# KiCad board Inverter_KiCAD.kicad_pcb
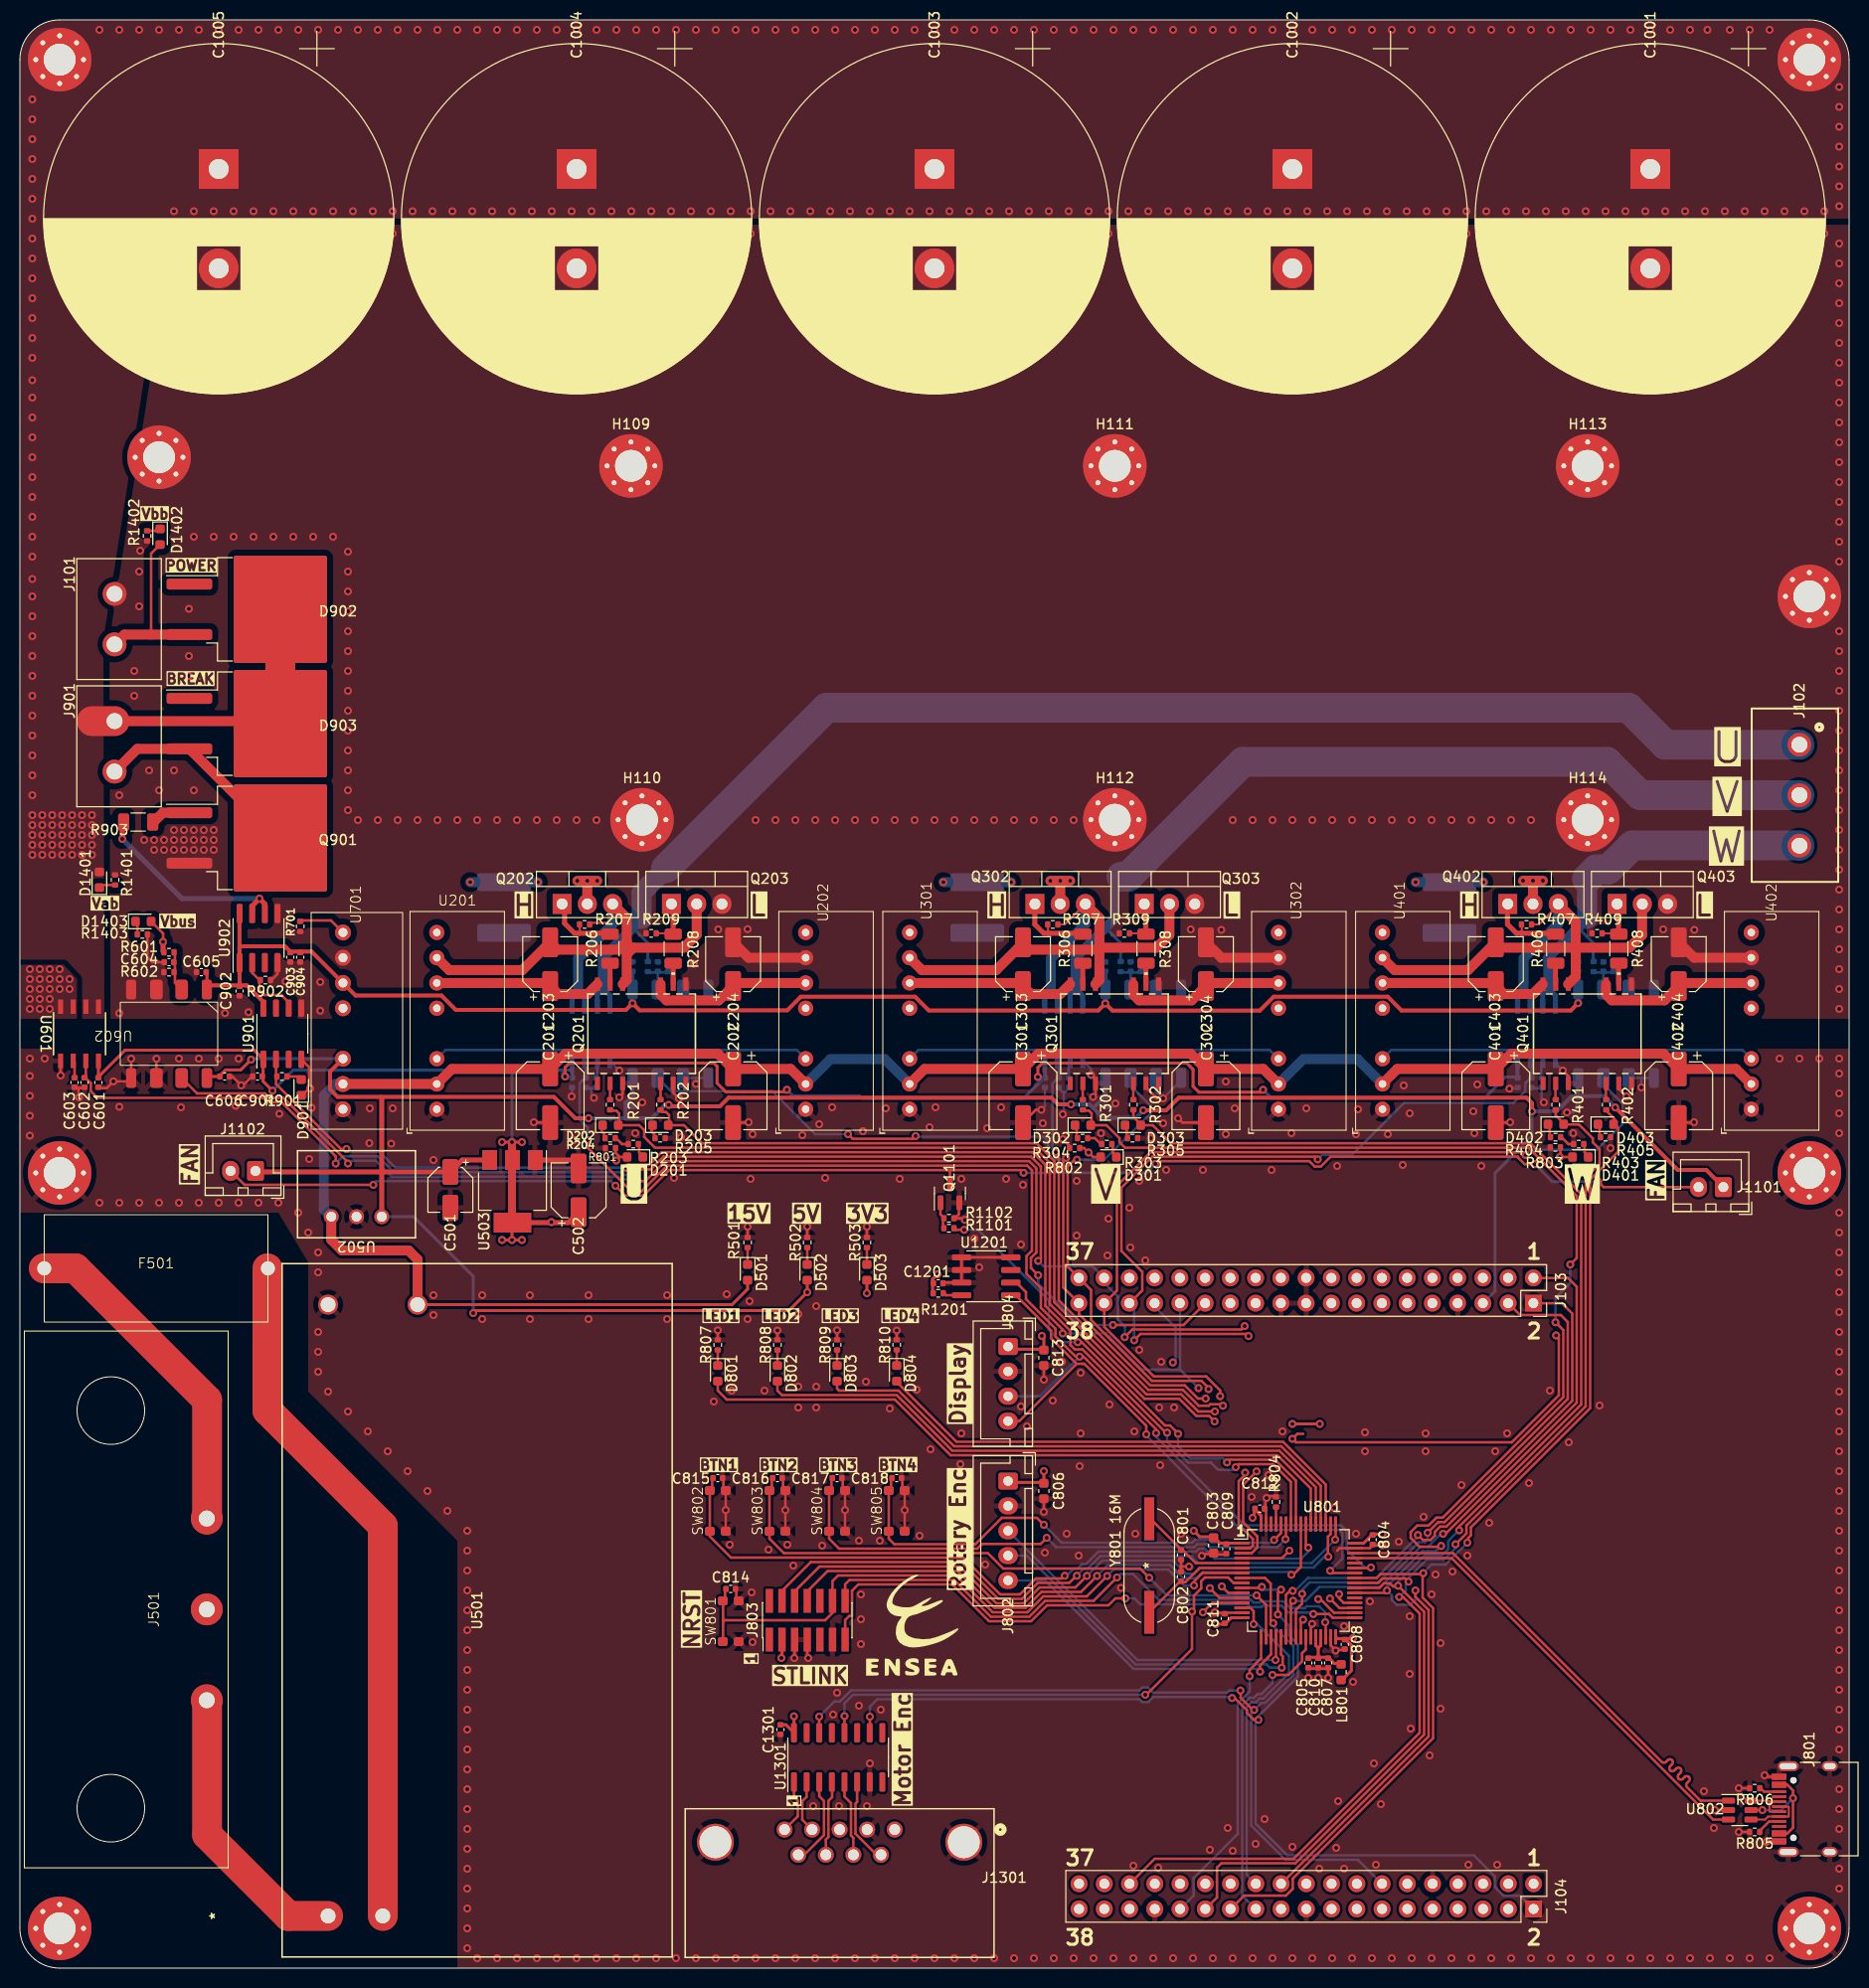
[diagram p0: board, top side]
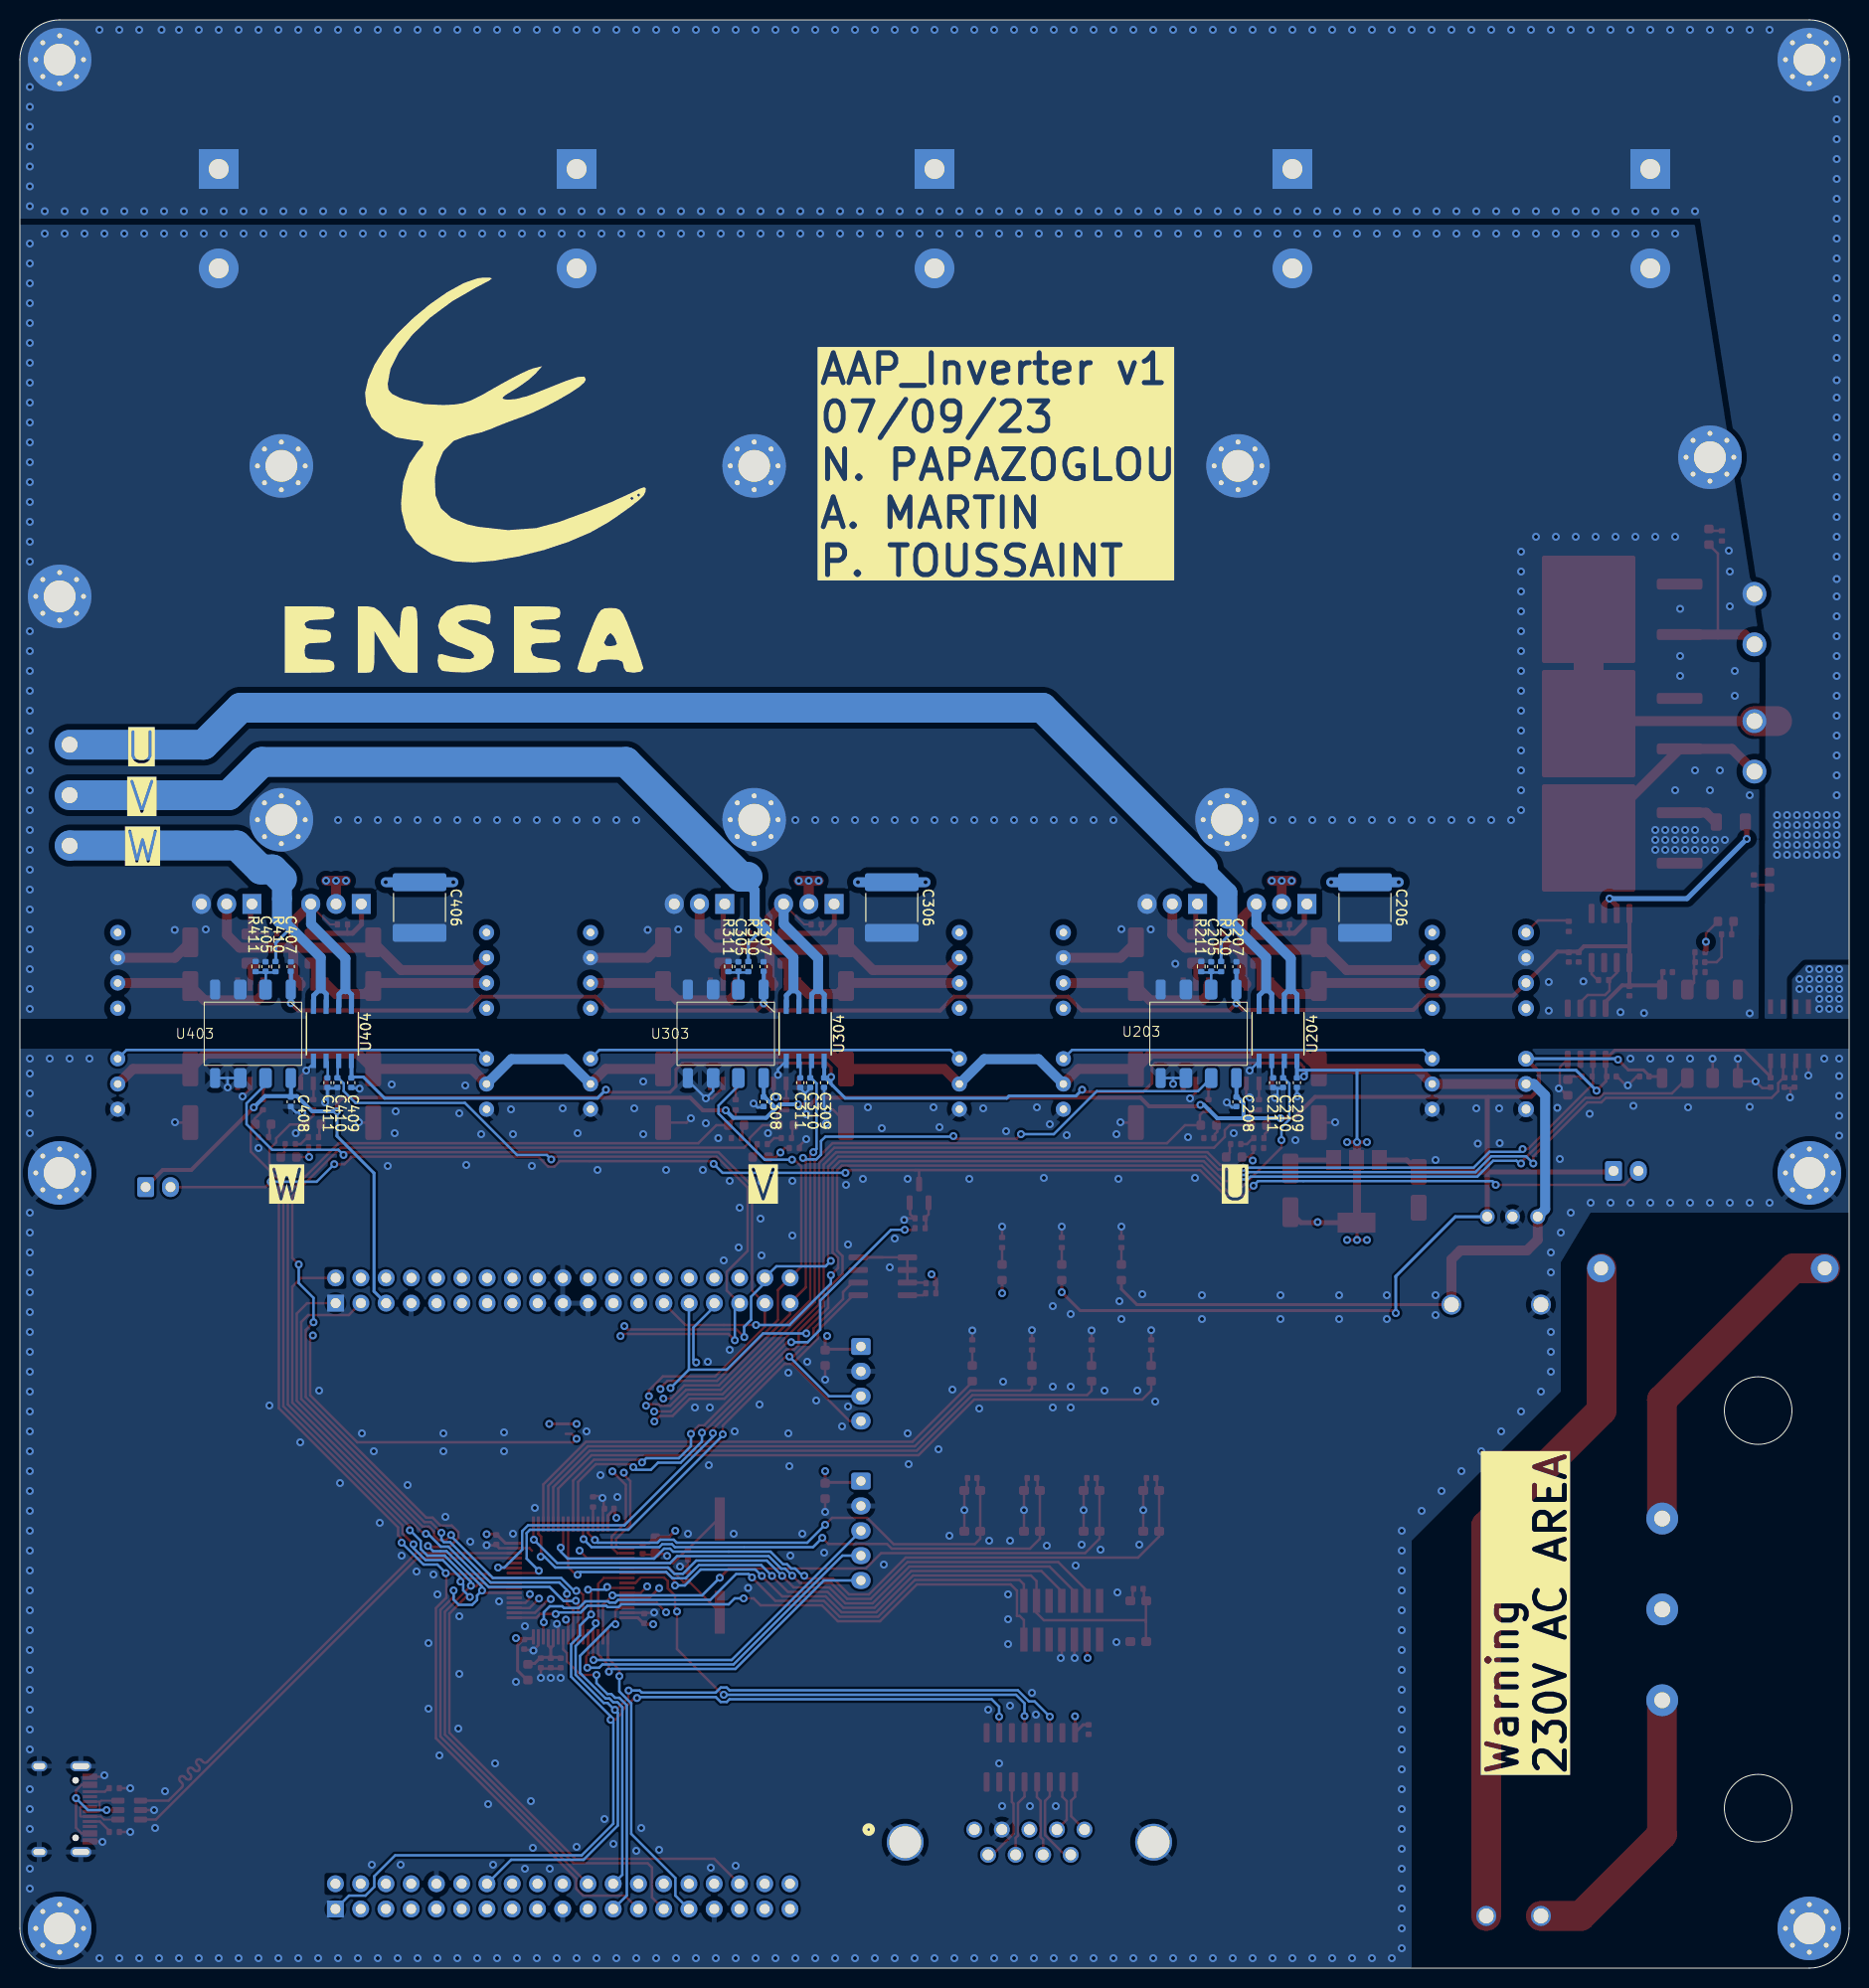
[diagram p1: board, bottom side, seen from below]

Outline 184 x 196 mm; copper layers: Top, In1.Cu, In2.Cu, Bottom. Coordinates in mm from the lower left corner of the outline.
Outline path: 0,192 0,4 arc(1.17,1.17) 4,0 180,0 arc(182.83,1.17) 184,4 184,192 arc(182.83,194.83) 180,196 4,196 arc(1.17,194.83) 0,192
Stack: Top 0.035mm / dielectric 0.1mm FR4 er 4.5 / In1.Cu 0.035mm / dielectric 1.24mm FR4 er 4.5 / In2.Cu 0.035mm / dielectric 0.1mm FR4 er 4.5 / Bottom 0.035mm

## Placement (name value [footprint] x y rotation side)
C201  100u  [CP_Elec_6.3x7.7]  53.34 87.76 270 top
C202  100u  [CP_Elec_6.3x7.7]  71.74 87.76 270 top
C203  22u  [CP_Elec_5x5.4]  53.34 101 90 top
C204  22u  [CP_Elec_5x5.4]  71.74 101 90 top
C205  10n  [C_0402_1005Metric]  64.17 100.76 90 bottom
C206  10u  [C_2220_5650Metric]  48.7 106.7 270 bottom
C207  100n  [C_0402_1005Metric]  61.63 100.76 90 bottom
C208  100n  [C_0402_1005Metric]  61.63 87.16 270 bottom
C209  4.7n  [C_0402_1005Metric]  55.55 89.08 270 bottom
C210  4.7n  [C_0402_1005Metric]  56.94 89.08 270 bottom
C211  4.7n  [C_0402_1005Metric]  57.94 89.08 270 bottom
C301  100u  [CP_Elec_6.3x7.7]  100.9 87.76 270 top
C302  100u  [CP_Elec_6.3x7.7]  119.3 87.76 270 top
C303  22u  [CP_Elec_5x5.4]  100.9 101 90 top
C304  22u  [CP_Elec_5x5.4]  119.3 101 90 top
C305  10n  [C_0402_1005Metric]  111.73 100.76 90 bottom
C306  10u  [C_2220_5650Metric]  96.3 106.7 270 bottom
C307  100n  [C_0402_1005Metric]  109.19 100.76 90 bottom
C308  100n  [C_0402_1005Metric]  109.19 87.16 270 bottom
C309  4.7n  [C_0402_1005Metric]  103.1 89.08 270 bottom
C310  4.7n  [C_0402_1005Metric]  104.5 89.08 270 bottom
C311  4.7n  [C_0402_1005Metric]  105.5 89.08 270 bottom
C401  100u  [CP_Elec_6.3x7.7]  148.46 87.76 270 top
C402  100u  [CP_Elec_6.3x7.7]  166.86 87.76 270 top
C403  22u  [CP_Elec_5x5.4]  148.46 101 90 top
C404  22u  [CP_Elec_5x5.4]  166.86 101 90 top
C405  10n  [C_0402_1005Metric]  159.29 100.76 90 bottom
C406  10u  [C_2220_5650Metric]  143.8 106.7 270 bottom
C407  100n  [C_0402_1005Metric]  156.75 100.76 90 bottom
C408  100n  [C_0402_1005Metric]  156.75 87.16 270 bottom
C409  4.7n  [C_0402_1005Metric]  150.66 89.08 270 bottom
C410  4.7n  [C_0402_1005Metric]  152.06 89.08 270 bottom
C411  4.7n  [C_0402_1005Metric]  153.06 89.08 270 bottom
C501  10u  [CP_Elec_4x5.4]  43.3 78.3 270 top
C502  22u  [CP_Elec_5x5.4]  56.2 78.25 90 top
C601  4.7n  [C_0402_1005Metric]  7.9 89.1 270 top
C602  4.7n  [C_0402_1005Metric]  6.5 89.1 270 top
C603  4.7n  [C_0402_1005Metric]  5.5 89.1 270 top
C604  10n  [C_0402_1005Metric]  15 101.2 180 top
C605  100n  [C_0402_1005Metric]  18.25 100.2 180 top
C606  100n  [C_0402_1005Metric]  20.6 89.7 0 top
C801  22p  [C_0402_1005Metric]  116.8 41.57 90 top
C802  22p  [C_0402_1005Metric]  116.8 39.4 270 top
C803  10u  [C_0603_1608Metric]  120.07 42.53 270 top
C804  100n  [C_0402_1005Metric]  136.07 43.1 270 top
C805  1u  [C_0402_1005Metric]  129.6 30.7 270 top
C806  10u  [C_0603_1608Metric]  103 48 90 top
C807  100n  [C_0402_1005Metric]  131.6 30.7 270 top
C808  100n  [C_0402_1005Metric]  133.28 32.57 270 top
C809  100n  [C_0402_1005Metric]  121.35 42.18 270 top
C810  100n  [C_0402_1005Metric]  130.6 30.7 270 top
C811  100n  [C_0402_1005Metric]  121.2 35.18 90 top
C812  100n  [C_0402_1005Metric]  124.72 46.22 0 top
C813  10u  [C_0603_1608Metric]  103 61.4 270 top
C814  100n  [C_0402_1005Metric]  71.5 38.15 0 top
C815  100n  [C_0402_1005Metric]  70.2 49.3 0 top
C816  100n  [C_0402_1005Metric]  76.2 49.3 0 top
C817  100n  [C_0402_1005Metric]  82.2 49.3 0 top
C818  100n  [C_0402_1005Metric]  88.2 49.3 0 top
C901  100n  [C_0402_1005Metric]  23.9 89.7 180 top
C902  100n  [C_0402_1005Metric]  22.1 98.3 270 top
C903  1u  [C_0402_1005Metric]  27.2 101.7 270 top
C904  1n  [C_0402_1005Metric]  28.2 101.7 270 top
C1001  1.5m  [CP_Radial_D35.0mm_P10.00mm_SnapIn]  164 181 270 top
C1002  1.5m  [CP_Radial_D35.0mm_P10.00mm_SnapIn]  128 181 270 top
C1003  1.5m  [CP_Radial_D35.0mm_P10.00mm_SnapIn]  92 181 270 top
C1004  1.5m  [CP_Radial_D35.0mm_P10.00mm_SnapIn]  56 181 270 top
C1005  1.5m  [CP_Radial_D35.0mm_P10.00mm_SnapIn]  20 181 270 top
C1201  100n  [C_0402_1005Metric]  92.38 68.9 0 top
C1301  100n  [C_0402_1005Metric]  76.5 24 270 top
D201  Green LED  [LED_0603_1608Metric]  61.87 81.6 180 top
D202  Red LED  [LED_0603_1608Metric]  59.4 84.8 0 top
D203  Red LED  [LED_0603_1608Metric]  64.43 84.8 0 top
D301  Green LED  [LED_0603_1608Metric]  109.5 81.6 180 top
D302  Red LED  [LED_0603_1608Metric]  106.93 84.8 0 top
D303  Red LED  [LED_0603_1608Metric]  111.95 84.8 0 top
D401  Green LED  [LED_0603_1608Metric]  156.97 81.6 180 top
D402  Red LED  [LED_0603_1608Metric]  154.5 84.9 0 top
D403  Red LED  [LED_0603_1608Metric]  159.53 84.9 0 top
D501  Red LED  [LED_0603_1608Metric]  73.2 70 270 top
D502  Red LED  [LED_0603_1608Metric]  79.2 70 270 top
D503  Red LED  [LED_0603_1608Metric]  85.2 70 270 top
D801  Blue LED  [LED_0603_1608Metric]  70.2 59.84 270 top
D802  Blue LED  [LED_0603_1608Metric]  76.2 59.84 270 top
D803  Blue LED  [LED_0603_1608Metric]  82.2 59.84 270 top
D804  Blue LED  [LED_0603_1608Metric]  88.2 59.84 270 top
D901  Red LED  [LED_0603_1608Metric]  28.3 88.6 90 top
D902  VS-15TQ060S-M3  [TO-263-2]  24.7 136.7 0 top
D903  VS-15TQ060S-M3  [TO-263-2]  24.7 125.2 0 top
D1401  Red LED  [LED_0603_1608Metric]  8 109.49 90 top
D1402  Red LED  [LED_0603_1608Metric]  14.1 144 270 top
D1403  Red LED  [LED_0603_1608Metric]  12.41 105.3 0 top
F501  Fuse  [0031.8201]  13.7 70.4 0 top
G***  -  [LOGO]  89.29 34.54 0 top
G***#2  -  [LOGO]  140.98 150.37 180 bottom
H101  MountingHole_Pad  [MountingHole_3.2mm_M3_Pad_Via]  4 4 0 top
H102  MountingHole_Pad  [MountingHole_3.2mm_M3_Pad_Via]  4 80 0 top
H103  MountingHole_Pad  [MountingHole_3.2mm_M3_Pad_Via]  180 4 0 top
H104  MountingHole_Pad  [MountingHole_3.2mm_M3_Pad_Via]  180 80 0 top
H105  MountingHole_Pad  [MountingHole_3.2mm_M3_Pad_Via]  180 138 0 top
H106  MountingHole_Pad  [MountingHole_3.2mm_M3_Pad_Via]  14 152 0 top
H107  MountingHole_Pad  [MountingHole_3.2mm_M3_Pad_Via]  4 192 0 top
H108  MountingHole_Pad  [MountingHole_3.2mm_M3_Pad_Via]  180 192 0 top
H109  MountingHole_Pad  [MountingHole_3.2mm_M3_Pad_Via]  61.47 151.13 0 top
H110  MountingHole_Pad  [MountingHole_3.2mm_M3_Pad_Via]  62.58 115.53 0 top
H111  MountingHole_Pad  [MountingHole_3.2mm_M3_Pad_Via]  110.14 151.13 0 top
H112  MountingHole_Pad  [MountingHole_3.2mm_M3_Pad_Via]  110.14 115.53 0 top
H113  MountingHole_Pad  [MountingHole_3.2mm_M3_Pad_Via]  157.7 151.13 0 top
H114  MountingHole_Pad  [MountingHole_3.2mm_M3_Pad_Via]  157.7 115.53 0 top
J101  Conn_01x02  [691311500102]  9.52 135.72 90 top
J102  Conn_01x03  [691311500103]  179 118 270 top
J103  Conn_02x19_Odd_Even  [PinSocket_2x19_P2.54mm_Vertical]  152.24 66.9 270 top
J104  Conn_02x19_Odd_Even  [PinSocket_2x19_P2.54mm_Vertical]  152.26 5.95 270 top
J501  -  [PX0580-PC-12132]  13.98 36.09 90 top
J801  USB_C_Receptacle_USB2.0  [USB_C_Receptacle_HRO_TYPE-C-31-M-12]  181 16 90 top
J802  Conn_01x05  [JST_XH_B5B-XH-A_1x05_P2.50mm_Vertical]  99.4 49 270 top
J803  Conn_ST_STDC14  [PinHeader_2x07_P1.27mm_Vertical_SMD]  79.2 35 90 top
J804  Conn_01x04  [JST_XH_B4B-XH-A_1x04_P2.50mm_Vertical]  99.4 62.54 270 top
J901  Conn_01x02  [691311500102]  9.52 122.92 90 top
J1101  Conn_01x02  [JST_XH_B2B-XH-A_1x02_P2.50mm_Vertical]  171.35 78.57 180 top
J1102  Conn_01x02  [JST_XH_B2B-XH-A_1x02_P2.50mm_Vertical]  23.7 80.2 180 top
J1301  DE9_Receptacle_MountingHoles  [618009233821]  87.99 13.94 0 top
L801  39n  [L_0603_1608Metric]  132.9 29.78 90 top
Q201  HCPL-315J-500E  [SO-16_HCPL-315J_BRA]  62.54 94 90 top
Q202  IRF540N  [TO-220-3_Vertical]  54.54 107.06 0 top
Q203  IRF540N  [TO-220-3_Vertical]  65.54 107.06 0 top
Q301  HCPL-315J-500E  [SO-16_HCPL-315J_BRA]  110.1 94 90 top
Q302  IRF540N  [TO-220-3_Vertical]  102.1 107.06 0 top
Q303  IRF540N  [TO-220-3_Vertical]  113.1 107.06 0 top
Q401  HCPL-315J-500E  [SO-16_HCPL-315J_BRA]  157.66 94 90 top
Q402  IRF540N  [TO-220-3_Vertical]  149.66 107.06 0 top
Q403  IRF540N  [TO-220-3_Vertical]  160.66 107.06 0 top
Q901  BUK9637-100E  [TO-263-2]  24.7 113.7 0 top
Q1101  SQ2310ES  [SOT-23]  93.55 77.94 90 top
R201  170  [R_0402_1005Metric]  59.36 86.86 270 top
R202  170  [R_0402_1005Metric]  64.44 86.86 270 top
R203  390  [R_0402_1005Metric]  61.7 82.9 180 top
R204  390  [R_0402_1005Metric]  59.37 83.5 0 top
R205  390  [R_0402_1005Metric]  64.4 83.5 0 top
R206  30  [R_1206_3216Metric]  59.36 102.56 90 top
R207  10k  [R_0402_1005Metric]  56.8 105 0 top
R208  30  [R_1206_3216Metric]  65.72 102.56 90 top
R209  10k  [R_0402_1005Metric]  63.5 104.1 180 top
R210  470k  [R_0402_1005Metric]  63.17 100.76 270 bottom
R211  1k  [R_0402_1005Metric]  65.17 100.76 90 bottom
R301  170  [R_0402_1005Metric]  106.93 86.86 270 top
R302  170  [R_0402_1005Metric]  112 86.86 270 top
R303  390  [R_0402_1005Metric]  109.33 82.9 180 top
R304  390  [R_0402_1005Metric]  106.9 83.5 0 top
R305  390  [R_0402_1005Metric]  111.93 83.5 0 top
R306  30  [R_1206_3216Metric]  106.93 102.56 90 top
R307  10k  [R_0402_1005Metric]  103.9 105 0 top
R308  30  [R_1206_3216Metric]  113.28 102.56 90 top
R309  10k  [R_0402_1005Metric]  111.1 104.1 180 top
R310  470k  [R_0402_1005Metric]  110.73 100.76 270 bottom
R311  1k  [R_0402_1005Metric]  112.73 100.76 90 bottom
R401  170  [R_0402_1005Metric]  154.49 86.86 270 top
R402  170  [R_0402_1005Metric]  159.56 86.86 270 top
R403  390  [R_0402_1005Metric]  156.8 82.9 180 top
R404  390  [R_0402_1005Metric]  154.47 83.6 0 top
R405  390  [R_0402_1005Metric]  159.5 83.6 0 top
R406  30  [R_1206_3216Metric]  154.49 102.56 90 top
R407  10k  [R_0402_1005Metric]  151.55 105 0 top
R408  30  [R_1206_3216Metric]  160.84 102.56 90 top
R409  10k  [R_0402_1005Metric]  158.65 104.1 180 top
R410  470k  [R_0402_1005Metric]  158.29 100.76 270 bottom
R411  1k  [R_0402_1005Metric]  160.29 100.76 90 bottom
R501  2k7  [R_0402_1005Metric]  73.2 73 90 top
R502  680  [R_0402_1005Metric]  79.2 73 90 top
R503  390  [R_0402_1005Metric]  85.2 73 90 top
R601  470k  [R_0402_1005Metric]  15 102.2 0 top
R602  1k  [R_0402_1005Metric]  15 100.2 180 top
R701  27k  [R_0402_1005Metric]  28.2 104.8 270 top
R801  10k  [R_0402_1005Metric]  59.4 82.5 180 top
R802  10k  [R_0402_1005Metric]  106.1 82.5 180 top
R803  10k  [R_0402_1005Metric]  154.45 82.58 180 top
R804  10k  [R_0402_1005Metric]  126.35 46.9 90 top
R805  5.1k  [R_0402_1005Metric]  174.5 13.7 180 top
R806  5.1k  [R_0402_1005Metric]  174.5 18.1 180 top
R807  390  [R_0402_1005Metric]  70.2 62.7 90 top
R808  390  [R_0402_1005Metric]  76.2 62.7 90 top
R809  390  [R_0402_1005Metric]  82.2 62.7 90 top
R810  390  [R_0402_1005Metric]  88.2 62.7 90 top
R901  390  [R_0402_1005Metric]  26.36 89.7 0 top
R902  10k  [R_0402_1005Metric]  24.7 99.4 0 top
R903  4.7  [R_1206_3216Metric]  11.9 115.3 0 top
R1101  22  [R_0402_1005Metric]  93.45 74.44 0 top
R1102  10k  [R_0402_1005Metric]  93.45 75.44 0 top
R1201  200  [R_0402_1005Metric]  92.38 67.9 180 top
R1401  10k  [R_0402_1005Metric]  9.58 109.47 90 top
R1402  10k  [R_0402_1005Metric]  12.8 144.09 270 top
R1403  10k  [R_0402_1005Metric]  12.32 104 0 top
SW801  SW_Push  [435451019820]  71.5 34.9 90 top
SW802  SW_Push  [435451019820]  70.2 46 90 top
SW803  SW_Push  [435451019820]  76.2 46 90 top
SW804  SW_Push  [435451019820]  82.2 46 90 top
SW805  SW_Push  [435451019820]  88.2 46 90 top
U201  MPRB2415S-6W  [MPRB2415S]  41.94 95.3 90 top
U202  MPRB2415S-6W  [MPRB2415S]  79.04 95.3 90 top
U203  HCPL-7800-500E  [DIP-8 Gull Wing]  65.44 94 0 bottom
U204  GO 10-SME/SP3  [SOIC8-GO-SME&slash_SP3_LEM]  57.44 94 270 bottom
U301  MPRB2415S-6W  [MPRB2415S]  89.5 95.3 90 top
U302  MPRB2415S-6W  [MPRB2415S]  126.6 95.3 90 top
U303  HCPL-7800-500E  [DIP-8 Gull Wing]  113 94 0 bottom
U304  GO 10-SME/SP3  [SOIC8-GO-SME&slash_SP3_LEM]  105 94 270 bottom
U401  MPRB2415S-6W  [MPRB2415S]  137.06 95.3 90 top
U402  MPRB2415S-6W  [MPRB2415S]  174.16 95.3 90 top
U403  HCPL-7800-500E  [DIP-8 Gull Wing]  160.56 94 0 bottom
U404  GO 10-SME/SP3  [SOIC8-GO-SME&slash_SP3_LEM]  152.56 94 270 bottom
U501  MP-LD30-23B12R2  [MP-LD30-23B15R2]  31 5.25 90 top
U502  173010542  [173010578]  36.4 75.6 180 top
U503  AZ1117-3.3  [SOT-223-3_TabPin2]  49.55 78.15 270 top
U601  GO 10-SME/SP3  [SOIC8-GO-SME&slash_SP3_LEM]  6 94 270 top
U602  HCPL-7800-500E  [DIP-8 Gull Wing]  15 94 180 top
U701  -  [17791063215]  33.9 95.3 90 top
U801  STM32G474RETx  [LQFP-64_10x10mm_P0.5mm]  128.6 39 0 top
U802  USBLC6-2SC6  [SOT-23-6]  173 15.9 0 top
U901  ACPL-077L  [SO-8_3.9x4.9mm_P1.27mm]  26.4 94 90 top
U902  TC1412  [SOIC-8_3.9x4.9mm_P1.27mm]  24.01 103.62 90 top
U1201  TCN75A  [SOIC-8_3.9x4.9mm_P1.27mm]  97.2 69.6 180 top
U1301  MAX3097ECSE+  [SOIC-16_3.9x9.9mm_P1.27mm]  82.31 21.2 90 top
Y801  16M  [ABLS-7.3728MHZ-CL-RESR-A-1-G-F]  113.6 40.5 90 top

## Library data of the parts
C201 C202 C301 C302 C401 C402 = -: Description: Polarized capacitor; Fournisseur: Wurth; MFR: 865 060 445 005; Vmax: 25V
C203 C204 C303 C304 C403 C404 = -: Description: Polarized capacitor; Fournisseur: Wurth; MFR: 865 060 442 002; Vmax: 25V
C205 C305 C405 C604 = -: Description: Unpolarized capacitor, small symbol; Fournisseur: Wurth; MFR: 885 012 205 050
C206 C306 C406 = -: Description: Unpolarized capacitor, small symbol; Fournisseur: Wurth; MFR: 885 012 214 001; URL: https://www.we-online.com/components/products/datasheet/885012214001.pdf
C207 C208 C307 C308 C407 C408 C605 C606 C804 C807-C812 C814-C818 C901 C902 C1201 C1301 = -: Description: Unpolarized capacitor, small symbol; Fournisseur: Wurth; MFR: 885 012 105 018
C209-C211 C309-C311 C409-C411 C601-C603 = -: Description: Unpolarized capacitor, small symbol; Fournisseur: Wurth; MFR: 885 012 205 048
C501 = -: Description: Polarized capacitor; Fournisseur: Wurth; MFR: 865 060 440 001
C502 = -: Description: Polarized capacitor; Fournisseur: Wurth; MFR: 865 060 442 002
C801 C802 = -: Description: Unpolarized capacitor, small symbol; Fournisseur: Wurth; MFR: 885 012 005 009
C803 C806 C813 = -: Description: Unpolarized capacitor, small symbol; Fournisseur: Wurth; MFR: 885 012 106 006
C805 C903 = -: Description: Unpolarized capacitor, small symbol; Fournisseur: Wurth; MFR: 885 012 105 012
C904 = -: Description: Unpolarized capacitor, small symbol; Fournisseur: Wurth; MFR: 885 012 205 044
C1001-C1005 = -: Description: Polarized capacitor; Fournisseur: Wurth; MFR: 861 011 086 027
D201 D301 D401 = -: Description: Light emitting diode; Fournisseur: Wurth; MFR: 150 060 GS5 504 0
D202 D203 D302 D303 D402 D403 D501-D503 D1401-D1403 = -: Description: Light emitting diode; Fournisseur: Wurth; MFR: 150 060 RS5 504 0
D801-D804 = -: Description: Light emitting diode; Fournisseur: Wurth; MFR: 150 060 BS5 504 0
D901 = -: Description: Light emitting diode, small symbol; Fournisseur: Wurth; MFR: 150 060 RS5 504 0
D902 D903 = -: Description: Schottky diode; Fournisseur: Farnell; Ref: 2909608
F501 = -: Fournisseur: Wurth; MFR: 696 108 003 002
H101-H114 = -: Description: Mounting Hole with connection; MFR: -
J101 J901 = -: Description: Generic connector, single row, 01x02, script generated (kicad-library-utils/schlib/autogen/connector/); Fournisseur: Wurth; MFR: 691 311 700 102
J102 = -: Description: Generic connector, single row, 01x03, script generated (kicad-library-utils/schlib/autogen/connector/); Fournisseur: Wurth; MFR: 691 311 700 103
J103 J104 = -: Description: Generic connector, double row, 02x19, odd/even pin numbering scheme (row 1 odd numbers, row 2 even numbers), script generated (kicad-library-utils/schlib/autogen/connector/); Fournisseur: Farnell; MFR: SSW-119-01-T-D; Ref: 2667437
J501 = -: Fournisseur: RS; MFR: PX0580/PC/12132; Ref: 261-5840
J801 = -: Description: USB 2.0-only Type-C Receptacle connector; Fournisseur: Wurth; MFR: 629 722 000 214
J802 = -: Description: Generic connector, single row, 01x05, script generated (kicad-library-utils/schlib/autogen/connector/); Fournisseur: Stock
J803 = -: Description: ST Debug Connector, standard ARM Cortex-M SWD and JTAG interface plus UART; Fournisseur: Stock
J804 = -: Description: Generic connector, single row, 01x04, script generated (kicad-library-utils/schlib/autogen/connector/); Fournisseur: Stock
J1101 J1102 = -: Description: Generic connector, single row, 01x02, script generated (kicad-library-utils/schlib/autogen/connector/); Fournisseur: Stock
J1301 = -: Description: 9-pin female receptacle socket D-SUB connector, Mounting Hole; Fournisseur: Wurth; MFR: 618 009 231 421
L801 = -: Description: Inductor, small symbol; Fournisseur: Wurth; MFR: 744 786 013 9
Q201 Q301 Q401 = -: Fournisseur: RS; Ref: 174-4163; Field7: *; Field8: *; Field9: *; Field10: *
Q202 Q203 Q302 Q303 Q402 Q403 = -: Description: 33A Id, 100V Vds, HEXFET N-Channel MOSFET, TO-220; Fournisseur: RS; MFR: IRF540NPBF; Ref: 914-8154
Q901 = -: Description: 91A Id, 250V Vds, 42mOhm Rds, N-Channel MOSFET, D2PAK; Fournisseur: Farnell; MFR: BUK9637-100E,118; Ref: 2254193
Q1101 = -: Description: N-MOSFET transistor, gate/source/drain; Fournisseur: RS; MFR: SQ2310ES-T1_BE3; Ref: 787-9443
R201 R202 R206 R208 R210 R301 R302 R306 R308 R310 R401 R402 R406 R408 R410 R501 R502 R601 R701 R903 R1101 R1201 R1401 R1402 = -: Description: Resistor, small symbol; Fournisseur: Stock
R203-R205 R303-R305 R403-R405 R503 R807-R810 R901 R1403 = -: Description: Resistor, small symbol; Fournisseur: Farnell; MFR: CRCW0402390RFKEDC; Ref: 4177482
R207 R209 R307 R309 R407 R409 R804 R902 = -: Description: Resistor, small symbol; Fournisseur: Farnell; MFR: MC00625W0402110K; Ref: 2130433
R211 R311 R411 R602 = -: Description: Resistor, small symbol; Fournisseur: Farnell; MFR: MCWR04X1001FTL; Ref: 2446437
R801-R803 R805 R806 = -: Description: Resistor, small symbol; Fournisseur: Sotck
R1102 = -: Description: Resistor, small US symbol; Fournisseur: Farnell; MFR: MC00625W0402110K; Ref: 2130433
SW801-SW805 = -: Description: Push button switch, generic, two pins; Fournisseur: Wurth; MFR: 435 451 019 820
U201 U202 U301 U302 U401 U402 = -: Fournisseur: Farnell*; MFR: MPRB2415S/PQQ6W-Q24-D15-S; Ref: 3652723/4138610
U203 U303 U403 U602 = -: Fournisseur: RS; MFR: HCPL-7800A-500E; Ref: 174-4179
U204 U304 U404 U601 = -: Fournisseur: Farnell; Ref: 3796461; Field7: *; Field8: *; Field9: *; Field10: *